# EAGLE board RedBoard-Panel (EAGLE 9.6.2), part 6 of 6
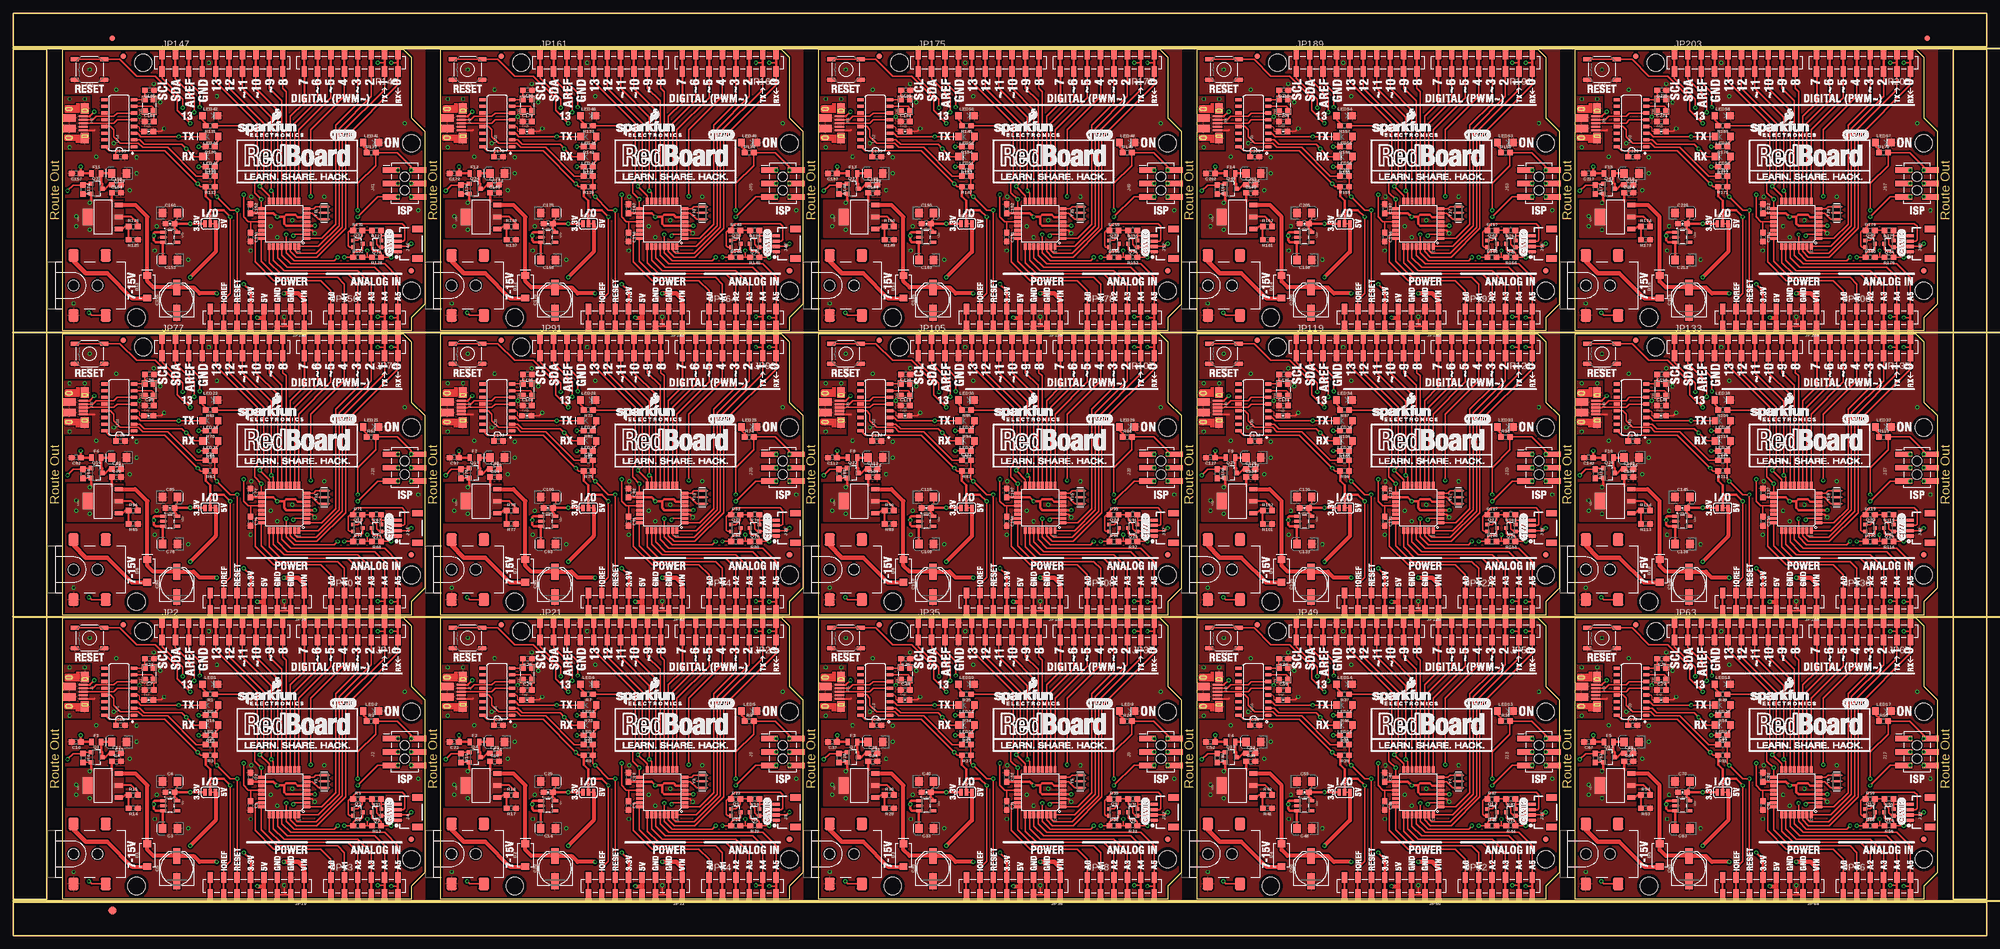
[diagram p0: board, top side]
## Tracks (layer width: path | path; a pad name or v marks a point on that pad's centre or on a via) (continued)
VCC13  (via drill 0.38) (continued)
  Top 0.305: v280.16,137.41 280.16,142.49 283.55,145.88 R158.2 287.66,148.34 290.32,145.67 TP79.P$1 J53.2 | R159.2 250.44,141.86 v249.87,142.43 243.62,148.68 234.35,148.68 | R168.2 281.94,128.52 | 281.94,128.52 R164.2 | v281.94,129.79 281.94,128.52 | C208.1 234.35,148.68 | R165.2 v250.06,145.67 | R166.2 v250.06,149.48 | U56.16 232.28,149.48 233.08,148.68 234.35,148.68
  Top 0.508: U54.6 268.8,136.07 268.35,136.53 266.57,136.53 266.19,136.14 | C197.2 U54.18 264.19,136.87 v264.92,136.14 266.19,136.14 | v272.05,134.47 U54.4 266.59,134.47 266.19,134.87 266.19,136.14 | v256.03,136.14 254.76,137.41 252.22,137.41 | I/O13.2 252.22,137.41 | R159.2 251.37,140.04 252.22,139.19 252.22,137.41
  Bottom 0.305: v272.05,134.47 277.22,134.47 v280.16,137.41 281.43,137.41 281.94,136.91 v281.94,129.79 | v250.06,149.48 v250.06,145.67 250.06,142.62 v249.87,142.43
  Bottom 0.508: v264.92,136.14 v256.03,136.14
  other vias: 290.32,145.03
VCC14  (via drill 0.38)
  Top 0.254: v327.66,136.14 327.66,124.71 327.66,121.74 326.39,120.47 JP204.7
  Top 0.305: v351.79,137.41 351.79,142.49 355.18,145.88 R170.2 359.28,148.34 361.95,145.67 TP85.P$1 J57.2 | R171.2 322.07,141.86 v321.5,142.43 315.25,148.68 305.98,148.68 | R180.2 353.57,128.52 | 353.57,128.52 R176.2 | v353.57,129.79 353.57,128.52 | C223.1 305.98,148.68 | R177.2 v321.69,145.67 | R178.2 v321.69,149.48 | U60.16 303.91,149.48 304.71,148.68 305.98,148.68
  Top 0.508: U58.6 340.43,136.07 339.98,136.53 338.2,136.53 337.82,136.14 | C212.2 U58.18 335.82,136.87 v336.55,136.14 337.82,136.14 | v343.68,134.47 U58.4 338.22,134.47 337.82,134.87 337.82,136.14 | v327.66,136.14 326.39,137.41 323.85,137.41 | I/O14.2 323.85,137.41 | R171.2 323,140.04 323.85,139.19 323.85,137.41
  Bottom 0.305: v343.68,134.47 348.85,134.47 v351.79,137.41 353.06,137.41 353.57,136.91 v353.57,129.79 | v321.69,149.48 v321.69,145.67 321.69,142.62 v321.5,142.43
  Bottom 0.508: v336.55,136.14 v327.66,136.14
  other vias: 361.95,145.03
VIN  (via drill 0.38)
  Top 0.305: JP10.1 55.12,11.05
  Top 0.762: v38.59,13.96 35.3,13.96 34.16,15.1 C5.+ 26.56,15.1 25.4,16.26 D1.C 25.4,28.45 23.12,30.74 U2.3
  Top 0.813: v51.3,13.96 53.99,13.96 55.12,12.83 55.12,11.05
  Bottom 0.813: v38.59,13.96 v51.3,13.96
VIN1  (via drill 0.38)
  Top 0.305: JP22.1 126.75,11.05
  Top 0.762: v110.22,13.96 106.93,13.96 105.79,15.1 C20.+ 98.18,15.1 97.03,16.26 D2.C 97.03,28.45 94.74,30.74 U5.3
  Top 0.813: v122.92,13.96 125.62,13.96 126.75,12.83 126.75,11.05
  Bottom 0.813: v110.22,13.96 v122.92,13.96
VIN2  (via drill 0.38)
  Top 0.305: JP36.1 198.37,11.05
  Top 0.762: v181.85,13.96 178.56,13.96 177.41,15.1 C35.+ 169.81,15.1 168.66,16.26 D3.C 168.66,28.45 166.37,30.74 U9.3
  Top 0.813: v194.55,13.96 197.24,13.96 198.37,12.83 198.37,11.05
  Bottom 0.813: v181.85,13.96 v194.55,13.96
VIN3  (via drill 0.38)
  Top 0.305: JP50.1 270,11.05
  Top 0.762: v253.48,13.96 250.19,13.96 249.04,15.1 C50.+ 241.44,15.1 240.28,16.26 D4.C 240.28,28.45 238,30.74 U13.3
  Top 0.813: v266.18,13.96 268.87,13.96 270,12.83 270,11.05
  Bottom 0.813: v253.48,13.96 v266.18,13.96
VIN4  (via drill 0.38)
  Top 0.305: JP64.1 341.63,11.05
  Top 0.762: v325.11,13.96 321.81,13.96 320.67,15.1 C65.+ 313.07,15.1 311.91,16.26 D5.C 311.91,28.45 309.63,30.74 U17.3
  Top 0.813: v337.81,13.96 340.5,13.96 341.63,12.83 341.63,11.05
  Bottom 0.813: v325.11,13.96 v337.81,13.96
VIN5  (via drill 0.38)
  Top 0.305: JP78.1 55.12,64.9
  Top 0.762: v38.59,67.81 35.3,67.81 34.16,68.95 C80.+ 26.56,68.95 25.4,70.1 D6.C 25.4,82.3 23.12,84.59 U21.3
  Top 0.813: v51.3,67.81 53.99,67.81 55.12,66.67 55.12,64.9
  Bottom 0.813: v38.59,67.81 v51.3,67.81
VIN6  (via drill 0.38)
  Top 0.305: JP92.1 126.75,64.9
  Top 0.762: v110.22,67.81 106.93,67.81 105.79,68.95 C95.+ 98.18,68.95 97.03,70.1 D7.C 97.03,82.3 94.74,84.59 U25.3
  Top 0.813: v122.92,67.81 125.62,67.81 126.75,66.67 126.75,64.9
  Bottom 0.813: v110.22,67.81 v122.92,67.81
VIN7  (via drill 0.38)
  Top 0.305: JP106.1 198.37,64.9
  Top 0.762: v181.85,67.81 178.56,67.81 177.41,68.95 C110.+ 169.81,68.95 168.66,70.1 D8.C 168.66,82.3 166.37,84.59 U29.3
  Top 0.813: v194.55,67.81 197.24,67.81 198.37,66.67 198.37,64.9
  Bottom 0.813: v181.85,67.81 v194.55,67.81
VIN8  (via drill 0.38)
  Top 0.305: JP120.1 270,64.9
  Top 0.762: v253.48,67.81 250.19,67.81 249.04,68.95 C125.+ 241.44,68.95 240.28,70.1 D9.C 240.28,82.3 238,84.59 U33.3
  Top 0.813: v266.18,67.81 268.87,67.81 270,66.67 270,64.9
  Bottom 0.813: v253.48,67.81 v266.18,67.81
VIN9  (via drill 0.38)
  Top 0.305: JP134.1 341.63,64.9
  Top 0.762: v325.11,67.81 321.81,67.81 320.67,68.95 C140.+ 313.07,68.95 311.91,70.1 D10.C 311.91,82.3 309.63,84.59 U37.3
  Top 0.813: v337.81,67.81 340.5,67.81 341.63,66.67 341.63,64.9
  Bottom 0.813: v325.11,67.81 v337.81,67.81
VIN10  (via drill 0.38)
  Top 0.305: JP148.1 55.12,118.74
  Top 0.762: v38.59,121.65 35.3,121.65 34.16,122.8 C155.+ 26.56,122.8 25.4,123.95 D11.C 25.4,136.15 23.12,138.43 U41.3
  Top 0.813: v51.3,121.65 53.99,121.65 55.12,120.52 55.12,118.74
  Bottom 0.813: v38.59,121.65 v51.3,121.65
VIN11  (via drill 0.38)
  Top 0.305: JP162.1 126.75,118.74
  Top 0.762: v110.22,121.65 106.93,121.65 105.79,122.8 C170.+ 98.18,122.8 97.03,123.95 D12.C 97.03,136.15 94.74,138.43 U45.3
  Top 0.813: v122.92,121.65 125.62,121.65 126.75,120.52 126.75,118.74
  Bottom 0.813: v110.22,121.65 v122.92,121.65
VIN12  (via drill 0.38)
  Top 0.305: JP176.1 198.37,118.74
  Top 0.762: v181.85,121.65 178.56,121.65 177.41,122.8 C185.+ 169.81,122.8 168.66,123.95 D13.C 168.66,136.15 166.37,138.43 U49.3
  Top 0.813: v194.55,121.65 197.24,121.65 198.37,120.52 198.37,118.74
  Bottom 0.813: v181.85,121.65 v194.55,121.65
VIN13  (via drill 0.38)
  Top 0.305: JP190.1 270,118.74
  Top 0.762: v253.48,121.65 250.19,121.65 249.04,122.8 C200.+ 241.44,122.8 240.28,123.95 D14.C 240.28,136.15 238,138.43 U53.3
  Top 0.813: v266.18,121.65 268.87,121.65 270,120.52 270,118.74
  Bottom 0.813: v253.48,121.65 v266.18,121.65
VIN14  (via drill 0.38)
  Top 0.305: JP204.1 341.63,118.74
  Top 0.762: v325.11,121.65 321.81,121.65 320.67,122.8 C215.+ 313.07,122.8 311.91,123.95 D15.C 311.91,136.15 309.63,138.43 U57.3
  Top 0.813: v337.81,121.65 340.5,121.65 341.63,120.52 341.63,118.74
  Bottom 0.813: v325.11,121.65 v337.81,121.65
VUSB  (via drill 0.38)
  Top 0.381: J1.VBUS 14.48,47.5
  Top 0.508: 14.48,47.5 v15.37,48.39 | F1.1 C10.1 12.83,36.74 v12.83,37.97
  Bottom 0.508: v12.83,37.97 12.83,39.88 13.33,40.39 14.61,40.39 15.11,40.89 15.11,48.13 v15.37,48.39
VUSB1  (via drill 0.38)
  Top 0.381: J7.VBUS 86.1,47.5
  Top 0.508: 86.1,47.5 v86.99,48.39 | F2.1 C22.1 84.45,36.74 v84.45,37.97
  Bottom 0.508: v84.45,37.97 84.45,39.88 84.96,40.39 86.23,40.39 86.74,40.89 86.74,48.13 v86.99,48.39
VUSB2  (via drill 0.38)
  Top 0.381: J11.VBUS 157.73,47.5
  Top 0.508: 157.73,47.5 v158.62,48.39 | F3.1 C37.1 156.08,36.74 v156.08,37.97
  Bottom 0.508: v156.08,37.97 156.08,39.88 156.59,40.39 157.86,40.39 158.37,40.89 158.37,48.13 v158.62,48.39
VUSB3  (via drill 0.38)
  Top 0.381: J15.VBUS 229.36,47.5
  Top 0.508: 229.36,47.5 v230.25,48.39 | F4.1 C52.1 227.71,36.74 v227.71,37.97
  Bottom 0.508: v227.71,37.97 227.71,39.88 228.22,40.39 229.49,40.39 230,40.89 230,48.13 v230.25,48.39
VUSB4  (via drill 0.38)
  Top 0.381: J19.VBUS 300.99,47.5
  Top 0.508: 300.99,47.5 v301.88,48.39 | F5.1 C67.1 299.34,36.74 v299.34,37.97
  Bottom 0.508: v299.34,37.97 299.34,39.88 299.85,40.39 301.12,40.39 301.62,40.89 301.62,48.13 v301.88,48.39
VUSB5  (via drill 0.38)
  Top 0.381: J23.VBUS 14.48,101.34
  Top 0.508: 14.48,101.34 v15.37,102.23 | F6.1 C82.1 12.83,90.59 v12.83,91.82
  Bottom 0.508: v12.83,91.82 12.83,93.73 13.33,94.23 14.61,94.23 15.11,94.74 15.11,101.98 v15.37,102.23
VUSB6  (via drill 0.38)
  Top 0.381: J27.VBUS 86.1,101.34
  Top 0.508: 86.1,101.34 v86.99,102.23 | F7.1 C97.1 84.45,90.59 v84.45,91.82
  Bottom 0.508: v84.45,91.82 84.45,93.73 84.96,94.23 86.23,94.23 86.74,94.74 86.74,101.98 v86.99,102.23
VUSB7  (via drill 0.38)
  Top 0.381: J31.VBUS 157.73,101.34
  Top 0.508: 157.73,101.34 v158.62,102.23 | F8.1 C112.1 156.08,90.59 v156.08,91.82
  Bottom 0.508: v156.08,91.82 156.08,93.73 156.59,94.23 157.86,94.23 158.37,94.74 158.37,101.98 v158.62,102.23
VUSB8  (via drill 0.38)
  Top 0.381: J35.VBUS 229.36,101.34
  Top 0.508: 229.36,101.34 v230.25,102.23 | F9.1 C127.1 227.71,90.59 v227.71,91.82
  Bottom 0.508: v227.71,91.82 227.71,93.73 228.22,94.23 229.49,94.23 230,94.74 230,101.98 v230.25,102.23
VUSB9  (via drill 0.38)
  Top 0.381: J39.VBUS 300.99,101.34
  Top 0.508: 300.99,101.34 v301.88,102.23 | F10.1 C142.1 299.34,90.59 v299.34,91.82
  Bottom 0.508: v299.34,91.82 299.34,93.73 299.85,94.23 301.12,94.23 301.62,94.74 301.62,101.98 v301.88,102.23
VUSB10  (via drill 0.38)
  Top 0.381: J43.VBUS 14.48,155.19
  Top 0.508: 14.48,155.19 v15.37,156.08 | F11.1 C157.1 12.83,144.44 v12.83,145.67
  Bottom 0.508: v12.83,145.67 12.83,147.57 13.33,148.08 14.61,148.08 15.11,148.59 15.11,155.83 v15.37,156.08
VUSB11  (via drill 0.38)
  Top 0.381: J47.VBUS 86.1,155.19
  Top 0.508: 86.1,155.19 v86.99,156.08 | F12.1 C172.1 84.45,144.44 v84.45,145.67
  Bottom 0.508: v84.45,145.67 84.45,147.57 84.96,148.08 86.23,148.08 86.74,148.59 86.74,155.83 v86.99,156.08
VUSB12  (via drill 0.38)
  Top 0.381: J51.VBUS 157.73,155.19
  Top 0.508: 157.73,155.19 v158.62,156.08 | F13.1 C187.1 156.08,144.44 v156.08,145.67
  Bottom 0.508: v156.08,145.67 156.08,147.57 156.59,148.08 157.86,148.08 158.37,148.59 158.37,155.83 v158.62,156.08
VUSB13  (via drill 0.38)
  Top 0.381: J55.VBUS 229.36,155.19
  Top 0.508: 229.36,155.19 v230.25,156.08 | F14.1 C202.1 227.71,144.44 v227.71,145.67
  Bottom 0.508: v227.71,145.67 227.71,147.57 228.22,148.08 229.49,148.08 230,148.59 230,155.83 v230.25,156.08
VUSB14  (via drill 0.38)
  Top 0.381: J59.VBUS 300.99,155.19
  Top 0.508: 300.99,155.19 v301.88,156.08 | F15.1 C217.1 299.34,144.44 v299.34,145.67
  Bottom 0.508: v299.34,145.67 299.34,147.57 299.85,148.08 301.12,148.08 301.62,148.59 301.62,155.83 v301.88,156.08

## Text on the board
Bottom: v20 | v20 | v20 | v20 | v20 | v20 | v20 | v20 | v20 | v20 | v20 | v20 | v20 | v20 | v20
Dimension: Route Out | Route Out | Route Out | Route Out | Route Out | Route Out | Route Out | Route Out | Route Out | Route Out | Route Out | Route Out | Route Out | Route Out | Route Out | Route Out | Route Out | Route Out
tValues: PTC | PTC | PTC | PTC | PTC | MOSFET | MOSFET | MOSFET | MOSFET | MOSFET | APA2112 | APA2112 | APA2112 | APA2112 | APA2112 | SS14TR | SS14TR | SS14TR | SS14TR | SS14TR | PTC | PTC | PTC | PTC | PTC | MOSFET | MOSFET | MOSFET | MOSFET | MOSFET | APA2112 | APA2112 | APA2112 | APA2112 | APA2112 | SS14TR | SS14TR | SS14TR | SS14TR | SS14TR | PTC | PTC | PTC | PTC | PTC | MOSFET | MOSFET | MOSFET | MOSFET | MOSFET | APA2112 | APA2112 | APA2112 | APA2112 | APA2112 | SS14TR | SS14TR | SS14TR | SS14TR | SS14TR
Milling: v-score | v-score | v-score | v-score
tDocu: J. Lindblom, N. Seidle | J. Lindblom, N. Seidle | J. Lindblom, N. Seidle | J. Lindblom, N. Seidle | J. Lindblom, N. Seidle | The Hoff, P. Lewis | The Hoff, P. Lewis | The Hoff, P. Lewis | The Hoff, P. Lewis | The Hoff, P. Lewis | J. Lindblom, N. Seidle | J. Lindblom, N. Seidle | J. Lindblom, N. Seidle | J. Lindblom, N. Seidle | J. Lindblom, N. Seidle | The Hoff, P. Lewis | The Hoff, P. Lewis | The Hoff, P. Lewis | The Hoff, P. Lewis | The Hoff, P. Lewis | J. Lindblom, N. Seidle | J. Lindblom, N. Seidle | J. Lindblom, N. Seidle | J. Lindblom, N. Seidle | J. Lindblom, N. Seidle | The Hoff, P. Lewis | The Hoff, P. Lewis | The Hoff, P. Lewis | The Hoff, P. Lewis | The Hoff, P. Lewis